# KiCad board ttaelgam.kicad_pcb (continued)
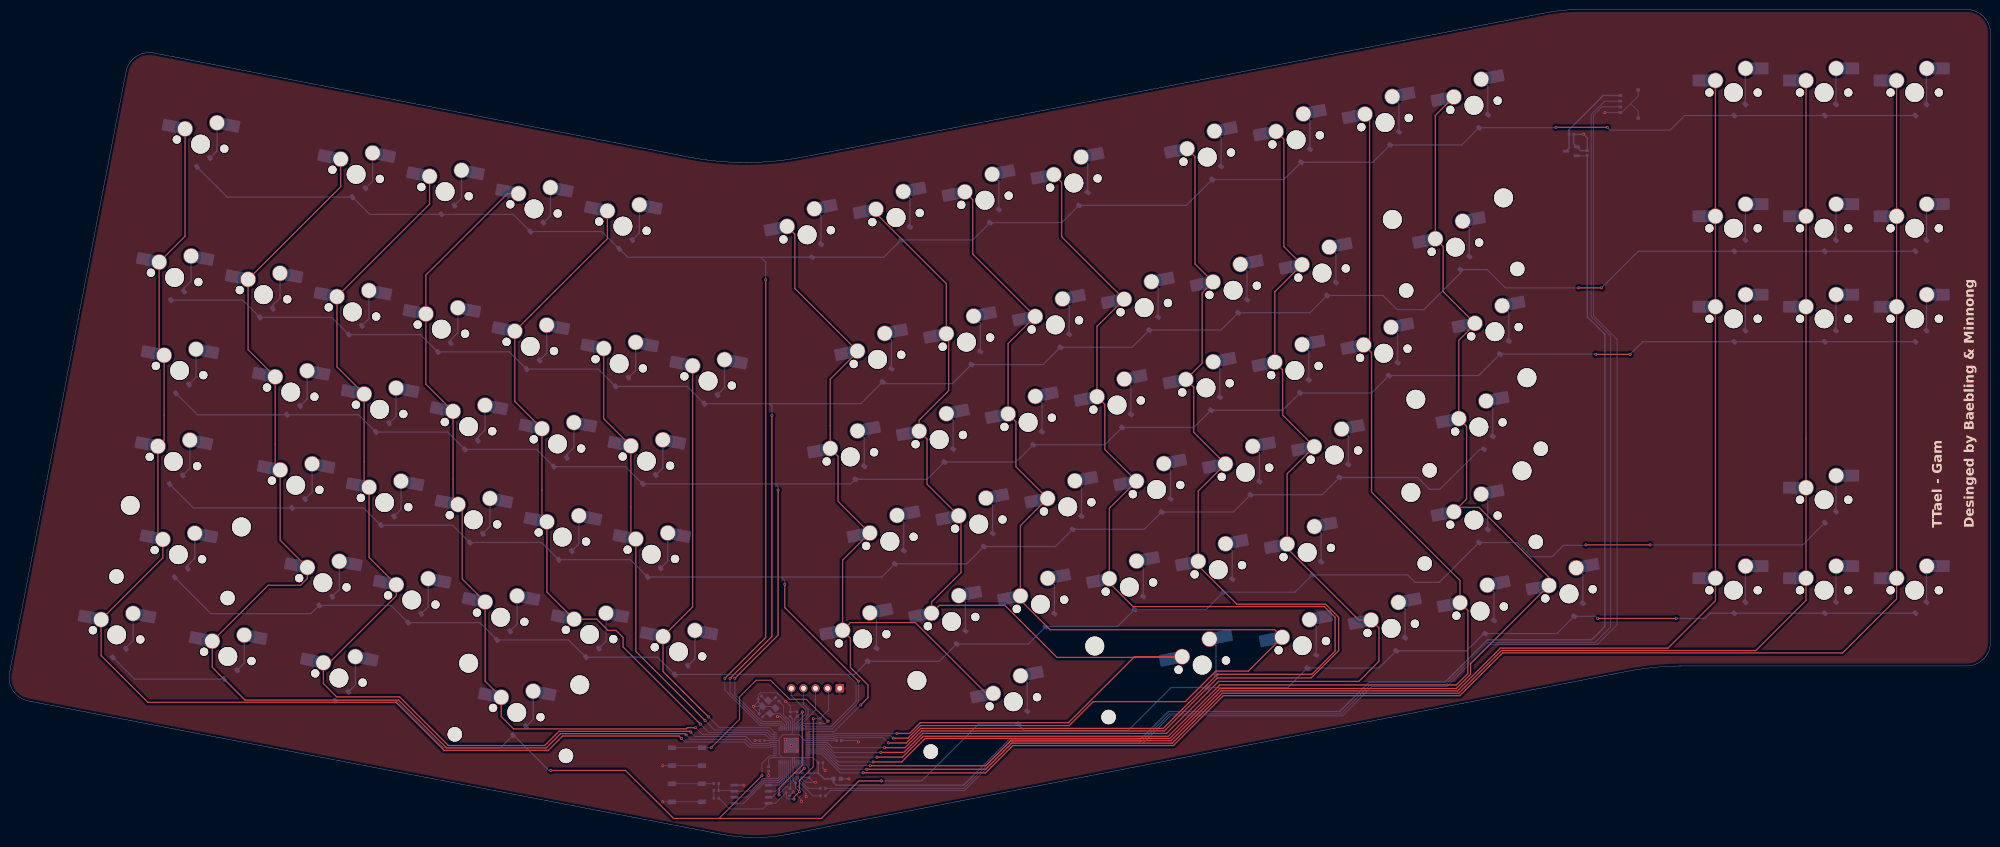
[diagram p0: board, top side]
## Nets
+1V1: C3.1 C4.1 C16.1 U2.23 U2.45 U2.50
+3V3: C2.1 C5.1 C8.1 C9.1 C10.1 C11.1 C12.1 C13.1 C14.1 C15.1 J3.2 R3.2 R4.2 U1.2 U2.1 U2.10 U2.22 U2.33 U2.42 U2.43 U2.44 U2.48 U2.49 U4.8
+5V: C1.1 J4.1 U1.3
GND: BOOT1.1 C1.2 C2.2 C3.2 C4.2 C5.2 C6.1 C7.1 C8.2 C9.2 C10.2 C11.2 C12.2 C13.2 C14.2 C15.2 C16.2 J3.1 J4.4 J4.MP RST1.1 U1.1 U2.19 U2.57 U4.4 Y1.2 Y1.4
COL0: MX1.1 MX17.1 MX34.1 MX51.1 MX64.1 MX78.1 U2.7
COL1: MX2.1 MX18.1 MX35.1 MX52.1 MX65.1 MX79.1 U2.8
COL2: MX3.1 MX19.1 MX36.1 MX53.1 MX66.1 MX80.1 U2.9
COL3: MX4.1 MX20.1 MX37.1 MX54.1 MX67.1 MX81.1 U2.11
COL4: MX5.1 MX21.1 MX38.1 MX55.1 MX68.1 U2.12
COL5: MX6.1 MX24.1 MX40.1 MX57.1 MX70.1 MX82.1 U2.29
COL6: MX7.1 MX25.1 MX41.1 MX58.1 MX71.1 MX83.1 U2.30
COL7: MX8.1 MX26.1 MX42.1 MX59.1 MX72.1 MX84.1 U2.31
COL8: MX9.1 MX27.1 MX43.1 MX60.1 MX73.1 U2.32
COL9: MX10.1 MX28.1 MX44.1 MX61.1 MX74.1 U2.34
COL10: MX11.1 MX29.1 MX45.1 MX62.1 MX75.1 MX85.1 U2.35
COL11: MX12.1 MX46.1 MX86.1 U2.36
COL12: MX13.1 MX30.1 MX47.1 MX63.1 MX76.1 MX87.1 U2.37
COL13: MX14.1 MX31.1 MX48.1 MX88.1 U2.38
COL14: MX15.1 MX32.1 MX49.1 MX77.1 MX89.1 U2.39
COL15: MX16.1 MX33.1 MX50.1 MX90.1 U2.40
COL16: MX22.1 MX39.1 MX56.1 U2.13
COL17: MX23.1 MX69.1 U2.14
D+: J4.3 R7.2
D-: J4.2 R8.1
Q_CLK: U2.52 U4.6
Q_I00: U2.53 U4.5
Q_I01: U2.55 U4.2
Q_I02: U2.54 U4.3
Q_I03: U2.51 U4.7
Q_SEL: R5.1 R6.2 U2.56 U4.1
RESET: J3.3 R4.1 RST1.2 U2.26
ROW0: D1.1 D2.1 D3.1 D4.1 D5.1 D6.1 D7.1 D8.1 D9.1 D10.1 D11.1 D12.1 D13.1 D14.1 D15.1 D16.1 U2.16
ROW1: D17.1 D18.1 D19.1 D20.1 D21.1 D22.1 D23.1 D24.1 D25.1 D26.1 D27.1 D28.1 D29.1 D30.1 D31.1 D32.1 D33.1 U2.17
ROW2: D34.1 D35.1 D36.1 D37.1 D38.1 D39.1 D40.1 D41.1 D42.1 D43.1 D44.1 D45.1 D46.1 D47.1 D48.1 D49.1 D50.1 U2.18
ROW3: D51.1 D52.1 D53.1 D54.1 D55.1 D56.1 D57.1 D58.1 D59.1 D60.1 D61.1 D62.1 D63.1 U2.28
ROW4: D64.1 D65.1 D66.1 D67.1 D68.1 D69.1 D70.1 D71.1 D72.1 D73.1 D74.1 D75.1 D76.1 D77.1 U2.27
ROW5: D78.1 D79.1 D80.1 D81.1 D82.1 D83.1 D84.1 D85.1 D86.1 D87.1 D88.1 D89.1 D90.1 U2.2
SWC: J3.5 U2.24
SWD: J3.4 U2.25
XIN: C6.2 U2.20 Y1.3
XOUT: R9.2 U2.21
Net-(BOOT1-Pad2): BOOT1.2 R6.1
Net-(C7-Pad2): C7.2 R9.1 Y1.1
Net-(D1-A): D1.2 MX1.2
Net-(D2-A): D2.2 MX2.2
Net-(D3-A): D3.2 MX3.2
Net-(D4-A): D4.2 MX4.2
Net-(D5-A): D5.2 MX5.2
Net-(D6-A): D6.2 MX6.2
Net-(D7-A): D7.2 MX7.2
Net-(D8-A): D8.2 MX8.2
Net-(D9-A): D9.2 MX9.2
Net-(D10-A): D10.2 MX10.2
Net-(D11-A): D11.2 MX11.2
Net-(D12-A): D12.2 MX12.2
Net-(D13-A): D13.2 MX13.2
Net-(D14-A): D14.2 MX14.2
Net-(D15-A): D15.2 MX15.2
Net-(D16-A): D16.2 MX16.2
Net-(D17-A): D17.2 MX17.2
Net-(D18-A): D18.2 MX18.2
Net-(D19-A): D19.2 MX19.2
Net-(D20-A): D20.2 MX20.2
Net-(D21-A): D21.2 MX21.2
Net-(D22-A): D22.2 MX22.2
Net-(D23-A): D23.2 MX23.2
Net-(D24-A): D24.2 MX24.2
Net-(D25-A): D25.2 MX25.2
Net-(D26-A): D26.2 MX26.2
Net-(D27-A): D27.2 MX27.2
Net-(D28-A): D28.2 MX28.2
Net-(D29-A): D29.2 MX29.2
Net-(D30-A): D30.2 MX30.2
Net-(D31-A): D31.2 MX31.2
Net-(D32-A): D32.2 MX32.2
Net-(D33-A): D33.2 MX33.2
Net-(D34-A): D34.2 MX34.2
Net-(D35-A): D35.2 MX35.2
Net-(D36-A): D36.2 MX36.2
Net-(D37-A): D37.2 MX37.2
Net-(D38-A): D38.2 MX38.2
Net-(D39-A): D39.2 MX39.2
Net-(D40-A): D40.2 MX40.2
Net-(D41-A): D41.2 MX41.2
Net-(D42-A): D42.2 MX42.2
Net-(D43-A): D43.2 MX43.2
Net-(D44-A): D44.2 MX44.2
Net-(D45-A): D45.2 MX45.2
Net-(D46-A): D46.2 MX46.2
Net-(D47-A): D47.2 MX47.2
Net-(D48-A): D48.2 MX48.2
Net-(D49-A): D49.2 MX49.2
Net-(D50-A): D50.2 MX50.2
Net-(D51-A): D51.2 MX51.2
Net-(D52-A): D52.2 MX52.2
Net-(D53-A): D53.2 MX53.2
Net-(D54-A): D54.2 MX54.2
Net-(D55-A): D55.2 MX55.2
Net-(D56-A): D56.2 MX56.2
Net-(D57-A): D57.2 MX57.2
Net-(D58-A): D58.2 MX58.2
Net-(D59-A): D59.2 MX59.2
Net-(D60-A): D60.2 MX60.2
Net-(D61-A): D61.2 MX61.2
Net-(D62-A): D62.2 MX62.2
Net-(D63-A): D63.2 MX63.2
Net-(D64-A): D64.2 MX64.2
Net-(D65-A): D65.2 MX65.2
Net-(D66-A): D66.2 MX66.2
Net-(D67-A): D67.2 MX67.2
Net-(D68-A): D68.2 MX68.2
Net-(D69-A): D69.2 MX69.2
Net-(D70-A): D70.2 MX70.2
Net-(D71-A): D71.2 MX71.2
Net-(D72-A): D72.2 MX72.2
Net-(D73-A): D73.2 MX73.2
Net-(D74-A): D74.2 MX74.2
Net-(D75-A): D75.2 MX75.2
Net-(D76-A): D76.2 MX76.2
Net-(D77-A): D77.2 MX77.2
Net-(D78-A): D78.2 MX78.2
Net-(D79-A): D79.2 MX79.2
Net-(D80-A): D80.2 MX80.2
Net-(D81-A): D81.2 MX81.2
Net-(D82-A): D82.2 MX82.2
Net-(D83-A): D83.2 MX83.2
Net-(D84-A): D84.2 MX84.2
Net-(D85-A): D85.2 MX85.2
Net-(D86-A): D86.2 MX86.2
Net-(D87-A): D87.2 MX87.2
Net-(D88-A): D88.2 MX88.2
Net-(D89-A): D89.2 MX89.2
Net-(D90-A): D90.2 MX90.2
Net-(R3-Pad1): R3.1 R5.2
Net-(U2-USB_DM): R8.2 U2.46
Net-(U2-USB_DP): R7.1 U2.47

Pads without a net: U2 3 4 5 6 15 41

## Via types
v1: diameter 0.6, hole 0.3, Top to Bottom, 68 vias

## Routing (per net, layer and track width the routed paths; a pad name or vN(x,y) marks a point on that pad's centre or on a via; arc(x,y) is an arc through that point)
+1V1: length 39.1
  Top w0.2: v1(166.83,26.44) 166.83,15.22 165.2,13.59 ; 165.2,13.59 166.25,13.59 v1(167.25,14.59) ; 165.2,13.59 161.95,10.34 v1(161.95,8.97)
  Bottom w0.2: v1(167.25,14.59) 166.75,14.09 C3.1 166.34,13.98 U2.45 ; U2.23 165.14,24.88 C16.1 165.9,25.51 v1(166.83,26.44) ; U2.50 164.34,10.39 C4.1 163.9,10.67 163.43,10.67 161.95,9.19 v1(161.95,8.97)
+3V3: length 391.8
  Top w0.2: v1(169.14,25.01) 169.14,14.88 166.23,11.97 v1(166.23,9.64) 165.08,8.49 v1(165.08,8.07)
  Bottom w0.2: v1(165.08,8.07) 165.05,8.09 163.9,8.09 163.46,8.53 C5.1 161.17,7.21 U4.8 158.53,6.01 151.52,6.01 R3.2 ; C14.1 168.23,13.6 168.23,14.62 167.58,15.27 167.2,15.27 ; 161.98,20.22 161.98,20.84 162.78,21.64 166.13,21.64 166.98,20.79 ; 161.98,20.22 161.98,17.46 162.63,16.81 ; 161.98,20.22 161.79,20.41 U2.10 158.88,20.41 C12.1 ; 166.58,16.81 166.98,16.81 ; 166.58,16.81 166.74,16.65 U2.44 166.74,15.52 166.99,15.27 167.2,15.27 ; 166.58,16.81 165.33,16.81 ; 166.98,16.81 166.98,20.79 ; 166.98,16.81 U2.42 169.13,16.81 C9.1 ; 166.98,16.81 167.14,16.65 U2.43 167.14,15.33 167.2,15.27 ; v1(169.14,25.01) 170.54,25.01 R4.2 ; 166.98,20.79 167.36,20.41 U2.33 174.06,20.41 ; 164.9,14.69 164.74,14.85 U2.49 164.74,16.63 164.93,16.81 ; 164.9,14.69 165.14,14.93 U2.48 165.14,16.63 165.33,16.81 ; 164.9,14.69 164.9,11.97 C11.1 165.41,10.46 v1(166.23,9.64) ; R4.2 172.38,26.85 172.38,31.19 J3.2 ; R4.2 170.58,25.1 ; 174.06,20.41 C13.1 174.06,20.41 ; C15.1 164.74,25.05 U2.22 164.74,21.98 164.4,21.64 ; C10.1 159.75,16.42 160.14,16.81 U2.1 165.33,16.81 ; C2.1 331.82,143.51 U1.2
  Bottom w0.3: C2.1 331.94,109.61 335.64,105.91 335.64,44.41 332.84,41.61 310.94,41.61 302.04,32.71 286.04,32.71 279.84,26.51 243.84,26.51 238.04,20.71 210.44,20.71 200.74,11.01 177.14,11.01 173.99,11.01 173.38,11.62 C8.1 171.43,12.34 170.2,13.57 ; 170.2,13.57 C9.1 ; 170.2,13.57 C14.1
+5V: length 18.6
  Bottom w0.3: U1.3 328.1,145.11 C1.1 328.1,149.01 335.3,156.21 J4.1
GND: length 96
  Top w0.2: v1(335.64,152.61) 335.64,152.55
  Top w0.3: v1(331.16,148.07) 331.16,148.13
  Bottom w0.2: v1(156.58,27.62) 156.58,27.62 Y1.4 ; v1(156.58,27.62) 156.58,27.28 C6.1 157.8,26.97 Y1.4 ; v1(156.58,27.62) 157.57,28.61 C7.1 ; RST1.1 RST1.1 v1(137.48,15.11) ; C12.2 v1(156.9,20.42) ; 341.04,154.51 339.14,152.61 J4.4 v1(335.64,152.61) ; 341.04,154.51 342.64,152.91 J4.MP ; 341.04,154.51 342.64,156.11 J4.MP ; C13.2 178.35,20.41 v1(178.64,20.11) ; C5.2 C4.2 166.64,7.93 v1(166.64,7.61) ; v1(159.75,13.02) C10.2 ; v1(171.64,14.11) 171.16,14.6 C9.2 ; U2.19 163.54,24.09 162.18,25.45 v1(161.6,25.45) ; C7.1 157.57,28.49 Y1.4 ; C7.1 157.57,29.99 158.05,30.47 161.52,30.47 v1(163.38,28.61) 164.3,27.69 C15.2 164.33,26.47 C16.2 ; C11.2 167.64,9.23 v1(167.64,8.61) ; v1(165.74,20.61) v1(164.54,19.41) ; Y1.4 158.75,27.31 ; Y1.4 158.47,27.6 160.87,27.6 Y1.2 ; BOOT1.1 BOOT1.1 137.48,7.51 v1(137.48,7.51) ; 169.25,11.61 C14.2 C3.2 166.75,12.44 167.58,11.61 v1(169.64,11.61) 169.25,11.61
  Bottom w0.25: v1(154.55,11.02) 154.55,11.02 U4.4 ; C8.2 v1(176.64,12.34)
  Bottom w0.3: 331.94,147.29 v1(331.16,148.07) 331.12,148.03 C1.2 329.06,146.07 U1.1 330.54,144.59 C2.2 331.94,147.29
  vias: v1(163.34,20.61) v1(163.34,18.21) v1(165.74,18.21)
COL0: length 272.2
  Top w0.25: v1(141.39,20.86) 140.89,21.36 116.44,21.36 113.44,18.36 91.49,18.36 81.39,28.46 29.18,28.46 19.36,38.28 MX78.1 32.35,58.87 MX64.1 31.31,63.81 MX51.1 32.61,83.67 MX34.1 31.57,102.57 MX17.1 37.02,126.59 MX1.1
  Bottom w0.2: U2.7 160.37,19.21 160.17,19.01 155.75,19.01 154.64,20.11 142.14,20.11 v1(141.39,20.86)
COL1: length 260.2
  Top w0.25: v1(142.39,21.61) 142.14,21.86 115.99,21.86 112.99,18.86 91.99,18.86 81.94,28.91 49.64,28.91 42.74,35.82 MX79.1 54.51,53.11 61.32,53.11 62.74,54.53 MX65.1 57.02,62.57 MX52.1 55.98,78.42 MX35.1 50.27,102.7 MX18.1 69.74,136.98 MX2.1
  Bottom w0.2: v1(142.39,21.61) 143.39,20.61 154.89,20.61 156.1,19.41 160,19.41 160.21,19.61 U2.8
COL2: length 229.9
  Top w0.25: MX3.1 88.44,133.35 MX19.1 68.97,99.07 MX36.1 74.68,74.78 MX53.1 75.72,58.94 MX66.1 81.44,50.89 67.34,36.8 MX80.1 66.11,32.39 68.89,29.61 82.14,29.61 92.39,19.36 112.64,19.36 115.64,22.36 143.22,22.36 v1(143.39,22.19)
  Bottom w0.2: v1(143.39,22.19) 143.39,22.11 144.24,21.26 154.99,21.26 156.45,19.81 159.84,19.81 160.04,20.01 U2.9
COL3: length 185.8
  Top w0.25: v1(144.39,23.11) 142.64,23.11 142.39,22.86 106.11,22.86 103.51,25.46 MX81.1 100.14,32.9 MX67.1 95.31,54.42 95.31,69.22 MX54.1 93.38,71.15 MX37.1 87.67,95.43 MX20.1 87.67,118.41 104.81,135.56 MX4.1
  Bottom w0.2: v1(144.39,23.11) 145.79,21.71 159.04,21.71 159.94,20.81 U2.11
COL4: length 152.9
  Top w0.25: MX5.1 125.84,126.08 MX21.1 106.37,91.8 MX38.1 112.08,67.51 MX55.1 113.12,51.67 MX68.1 123.62,45.95 125.96,43.61 127.64,43.61 129.14,42.11 129.14,40.11 v1(145.39,23.86)
  Bottom w0.2: v1(145.39,23.86) 147.14,22.11 159.39,22.11 160.29,21.21 U2.12
COL5: length 170
  Top w0.25: MX70.1 176.96,41.94 176.96,35.8 180.64,32.11 180.64,29.41 v1(179.14,27.91) ; MX70.1 176.96,45.24 190.61,45.24 205.51,30.34 MX82.1 ; MX70.1 175.31,58.39 MX57.1 174.36,70.77 174.36,80.25 MX40.1 172.71,96.5 178.43,102.21 MX24.1 165.28,115.57 165.28,127 MX6.1
  Bottom w0.2: v1(179.14,27.91) 173.54,22.31 168.28,22.31 U2.29
COL6: length 243.8
  Top w0.25: v1(186.74,21.91) 189.4,21.91 191.65,24.16 222.79,24.16 236.7,38.07 MX83.1 246.58,37.91 220.39,37.91 209.43,48.88 195.66,48.88 MX71.1 194.01,49.56 200.21,55.76 200.21,67.26 MX58.1 193.06,74.4 193.06,83.89 MX41.1 191.41,87.87 197.62,94.07 197.62,105.56 MX25.1 197.13,116.59 182.33,131.39 MX7.1
  Bottom w0.2: v1(186.74,21.91) 173.5,21.91 173.2,21.61 U2.30
COL7: length 269
  Top w0.25: MX59.1 212.71,65.66 MX72.1 212.71,49.97 218.93,43.75 266.18,43.75 MX84.1 260.64,35.03 253.81,35.03 247.39,28.61 228.04,28.61 222.99,23.56 191.68,23.56 189.03,20.91 v1(185.94,20.91) ; MX59.1 211.76,78.04 211.76,87.52 MX42.1 210.11,103.97 MX26.1 202.68,122.84 202.68,134.27 MX8.1 ; MX59.1 219.54,70.26
  Bottom w0.2: U2.31 173.36,21.21 173.57,21.42 185.44,21.42 v1(185.94,20.91)
COL8: length 278.2
  Top w0.25: MX9.1 221.38,137.91 221.38,126.47 MX27.1 228.81,107.61 MX43.1 230.46,91.16 230.46,81.67 MX60.1 231.41,69.3 MX73.1 ; MX73.1 231.41,53.65 ; MX73.1 231.41,53.6 236.4,48.61 276.64,48.61 278.89,46.36 278.89,39.25 274.01,34.36 254.14,34.36 242.74,22.96 191.76,22.96 188.71,19.91 v1(184.94,19.91)
  Bottom w0.2: U2.32 173.53,20.81 173.74,21.02 183.84,21.02 v1(184.94,19.91)
COL9: length 260.8
  Top w0.25: MX74.1 250.11,57.24 258.23,49.11 276.89,49.11 279.64,46.36 279.64,39.36 273.89,33.61 254.14,33.61 242.96,22.43 191.96,22.43 188.44,18.91 v1(184.14,18.91) ; MX74.1 250.11,57.15 ; MX74.1 250.11,72.93 MX61.1 249.16,85.31 249.16,94.79 MX44.1 250.94,99.87 250.94,114.67 MX28.1 249.43,120.76 249.43,143.36 MX10.1
  Bottom w0.2: v1(184.14,18.91) 173.14,18.91 172.04,20.01 U2.34
COL10: length 260.3
  Top w0.25: MX11.1 268.13,146.99 268.13,124.39 MX29.1 266.21,114.88 MX45.1 267.86,98.42 267.86,88.94 MX62.1 268.81,76.57 MX75.1 268.81,60.87 283.89,45.79 MX85.1 288.12,44.14 288.12,37.09 283.89,32.86 254.39,32.86 243.44,21.91 192.18,21.91 188.18,17.91 v1(183.34,17.91)
  Bottom w0.2: v1(183.34,17.91) 173.54,17.91 171.84,19.61 U2.35
COL11: length 274.8
  Top w0.25: MX12.1 286.14,151.31 286.14,104.94 MX46.1 286.56,102.06 286.56,72.69 305.17,54.09 MX86.1 306.82,47.78 306.82,34.54 304.39,32.11 254.64,32.11 243.84,21.31 192.28,21.31 187.88,16.91 v1(182.54,16.91)
  Bottom w0.2: v1(182.54,16.91) 173.94,16.91 171.64,19.21 U2.36
COL12: length 298.8
  Top w0.25: v1(181.74,15.91) 187.74,15.91 192.69,20.86 244.14,20.86 254.64,31.36 304.39,31.36 307.39,34.36 307.39,36.59 MX87.1 ; MX13.1 299.98,152.01 MX30.1 301.63,124.39 301.63,114.91 MX47.1 308.29,108.05 304.91,104.67 MX63.1 306.56,86.54 306.56,71.27 MX76.1 304.8,69.51 309.14,69.51 323.87,54.79 MX87.1 ; MX87.1 324.74,52.19
  Bottom w0.2: U2.37 171.44,18.81 174.34,15.91 v1(181.74,15.91)
COL13: length 316.6
  Top w0.25: MX48.1 359.2,111.43 ; MX48.1 MX88.1 358.89,49.86 348.89,39.86 313.64,39.86 304.64,30.86 254.89,30.86 244.39,20.36 210.64,20.36 205.39,15.11 v1(181.14,15.11) ; MX48.1 MX31.1 MX14.1
  Bottom w0.2: v1(181.14,15.11) 174.54,15.11 171.24,18.41 U2.38
COL14: length 335.7
  Top w0.25: MX15.1 MX32.1 MX49.1 MX77.1 MX89.1 377.94,49.91 367.39,39.36 313.89,39.36 304.89,30.36 255.14,30.36 244.64,19.86 210.89,19.86 205.39,14.36 v1(180.39,14.36)
  Bottom w0.2: U2.39 171.04,18.01 174.69,14.36 v1(180.39,14.36)
COL15: length 355
  Top w0.25: MX16.1 MX33.1 MX50.1 MX90.1 396.99,50.21 385.64,38.86 314.14,38.86 305.14,29.86 255.39,29.86 244.89,19.36 211.14,19.36 205.39,13.61 v1(179.64,13.61)
  Bottom w0.2: v1(179.64,13.61) 174.84,13.61 170.84,17.61 U2.40
COL16: length 103.1
  Top w0.25: v1(146.39,24.61) 131.82,39.18 MX56.1 130.78,63.88 MX39.1 125.07,88.16 MX22.1
  Bottom w0.2: U2.13 160.57,21.61 159.57,22.61 148.39,22.61 v1(146.39,24.61)
COL17: length 95.9
  Top w0.25: MX23.1 143.77,48.55 MX69.1 137.54,34.97 v1(147.14,25.36)
  Bottom w0.2: v1(147.14,25.36) 149.39,23.11 160,23.11 U2.14
D+: length 297.1
  Bottom w0.2: J4.3 335.02,153.81 333.26,152.05 333.26,109.81 338.2,104.87 338.2,44.78 334.04,40.61 311.24,40.61 302.44,31.81 286.64,31.81 280.44,25.61 244.24,25.61 238.44,19.81 210.84,19.81 200.93,9.9 172.82,9.9 R7.2
D-: length 296.1
  Bottom w0.2: 171.69,10.28 R8.1 200.78,10.35 210.64,20.21 238.24,20.21 244.04,26.01 280.14,26.01 286.34,32.21 302.24,32.21 311.04,41.01 333.54,41.01 336.84,44.31 336.84,105.6 332.75,109.69 332.75,152.18 335.59,155.01 J4.2 ; 332.75,114.52 332.75,114.52 332.75,114.52
Q_CLK: length 8.7
  Bottom w0.2: U4.6 161.23,9.75 163.54,12.06 U2.52
Q_I00: length 7.7
  Bottom w0.2: U2.53 163.14,12.23 161.94,11.02 U4.5
Q_I01: length 14.9
  Bottom w0.2: U4.2 155.18,8.48 158.72,12.02 161.8,12.02 162.34,12.56 U2.55
Q_I02: length 15.9
  Bottom w0.2: 152.53,7.21 154.48,7.21 158.89,11.62 161.97,11.62 162.74,12.39 U2.54
Q_I03: length 9.7
  Bottom w0.2: U2.51 163.94,11.9 160.53,8.48 U4.7
Q_SEL: length 18.7
  Bottom w0.2: U2.56 161.94,12.73 161.64,12.42 158.56,12.42 155.89,9.75 152.53,9.75 152.39,9.89 R5.1 R6.2
RESET: length 60.7
  Top w0.2: 172.14,24.41 v1(172.24,24.51) 167.64,29.11 164.14,29.11 160.14,33.11 157.14,33.11 153.64,29.61 153.64,24.87 v1(147.68,18.91)
  Bottom w0.2: U2.26 166.34,23.55 166.81,24.01 ; 166.81,24.01 171.74,24.01 v1(172.24,24.51) ; 166.81,24.01 169.62,26.83 J3.3 ; RST1.2 RST1.2 v1(147.68,18.91)
ROW0: length 492.8
  Top w0.25: v1(325.34,149.51) v1(336.14,149.51) ; v1(150.54,33.51) 159.14,42.11 v1(159.14,117.41)
  Bottom w0.2: v1(150.54,33.51) 150.54,31.01 157.94,23.61 162.11,23.61 162.34,23.39 U2.16
  Bottom w0.25: D1.1 45.86,134.83 D2.1 75.86,131.2 D3.1 105.99,131.2 D4.1 124.69,127.56 D5.1 130.09,122.17 D6.1 183.99,122.17 D7.1 202.69,125.8 D8.1 221.39,129.44 D9.1 247.62,133.07 D10.1 268.14,138.52 D11.1 286.84,142.16 D12.1 305.54,145.79 D13.1 325.26,149.43 v1(325.34,149.51) ; D16.1 D15.1 D14.1 352.42,151.99 349.34,148.91 336.74,148.91 v1(336.14,149.51) ; v1(159.14,117.41) 159.14,121.11 158.09,122.17
ROW1: length 475.2
  Top w0.25: v1(160.44,88.81) 160.44,42.31 v1(151.64,33.51) ; v1(330.14,115.71) v1(334.94,115.71)
  Bottom w0.2: v1(151.64,33.51) 151.64,30.51 158.14,24.01 162.28,24.01 162.74,23.55 U2.17
  Bottom w0.25: 159.94,91.33 D23.1 142.61,94.97 D22.1 123.91,98.6 D21.1 105.21,102.24 D20.1 86.51,105.87 D19.1 67.81,109.51 D18.1 49.11,113.14 D17.1 ; 159.94,91.33 160.44,90.83 v1(160.44,88.81) ; 159.94,91.33 179.12,91.33 183.32,95.53 ; 183.32,95.53 D24.1 ; 183.32,95.53 198.39,95.53 D25.1 217.49,99.57 D26.1 236.19,103.2 D27.1 254.89,106.84 D28.1 273.59,110.47 D29.1 288.95,114.11 291.94,111.11 297.54,111.11 305.28,118.85 D30.1 310.89,119.56 314.74,115.71 v1(330.14,115.71) ; D33.1 D31.1 342.65,123.42 v1(334.94,115.71)
ROW2: length 448.8
  Top w0.25: v1(333.74,101.71) v1(340.94,101.71) ; v1(152.64,33.51) 161.74,42.61 v1(161.74,73.11)
  Bottom w0.2: v1(152.64,33.51) 152.64,30.11 158.34,24.41 162.45,24.41 163.14,23.72 U2.18 163.14,23.12
  Bottom w0.25: v1(340.94,101.71) 343.6,104.37 D48.1 D50.1 ; v1(161.74,73.11) 161.74,73.85 161.14,74.45 ; D34.1 39.63,88.99 D35.1 73.53,88.99 D36.1 92.23,85.36 D37.1 110.93,81.72 D38.1 129.63,78.09 D39.1 161.14,74.45 ; 161.14,74.45 177.04,74.45 D40.1 193.08,75.42 D41.1 211.78,79.05 D42.1 230.48,82.69 D43.1 249.18,86.32 D44.1 267.88,89.96 D45.1 286.58,93.59 D46.1 309.04,97.23 D47.1 333.69,101.77 v1(333.74,101.71)
ROW3: length 344.6
  Top w0.25: v1(178.64,32.91) 163.14,48.41 v1(163.14,53.31)
  Bottom w0.2: U2.28 173.08,22.85 178.64,28.41 v1(178.64,32.91)
  Bottom w0.25: 162.44,54.84 183.54,54.84 D57.1 201.39,57.63 D58.1 220.09,61.26 D59.1 238.79,64.9 D60.1 257.49,68.53 D61.1 276.19,72.17 D62.1 296.26,75.8 298.74,73.31 300.94,73.31 309.34,81.71 D63.1 ; 162.44,54.84 D56.1 130.67,58.48 D55.1 111.97,62.11 D54.1 93.27,65.75 D53.1 74.57,69.38 D52.1 38.79,69.38 D51.1 ; 162.44,54.84 163.14,54.14 v1(163.14,53.31)
ROW4: length 394.8
  Top w0.25: v1(331.64,61.61) v1(345.14,61.61)
  Bottom w0.2: 176.34,34.32 178.14,32.52 178.14,28.61 174.34,24.81 172.84,23.31 167.54,23.31 167.54,23.41 167.37,23.59 166.95,23.59 166.74,23.39 U2.27
  Bottom w0.25: v1(331.64,61.61) 331.54,61.51 326.94,61.51 324.54,59.11 320.14,59.11 317.16,62.1 D76.1 300.78,53.71 295.74,53.71 294.17,55.28 D75.1 270.47,51.65 D74.1 251.77,48.01 D73.1 233.07,44.38 D72.1 214.37,40.74 D71.1 195.67,37.11 D70.1 177.82,34.32 D69.1 136.38,37.96 D68.1 117.68,41.59 D67.1 98.98,45.23 D66.1 80.28,48.86 D65.1 63.47,47.11 42.49,47.11 D64.1 ; D77.1 377.25,61.61 v1(345.14,61.61)
ROW5: length 433.5
  Top w0.2: v1(158.34,13.01) 149.34,4.01
  Top w0.25: v1(113.94,14.11) 129.64,14.11 139.74,4.01 170.84,4.01 178.74,11.91 v1(183.44,11.91) ; v1(334.14,46.11) v1(350.64,46.11)
  Bottom w0.2: v1(158.34,13.01) 158.34,15.61 159.94,17.21 U2.2
  Bottom w0.25: v1(183.44,11.91) 191.94,11.91 203.89,23.86 D82.1 212.29,23.77 213.54,22.51 235.34,22.51 244.41,31.58 D83.1 268.98,31.58 D84.1 288.13,35.67 D85.1 306.54,39.31 310.17,42.94 D86.1 325.53,42.94 D87.1 333.68,46.58 v1(334.14,46.11) ; v1(113.94,14.11) 113.54,14.11 106.13,21.53 D81.1 103.38,18.91 91.34,18.91 81.46,28.8 D80.1 49.76,28.8 D79.1 26.39,33.34 D78.1 ; v1(350.64,46.11) 356.64,46.11 357.75,47.22 D88.1 D90.1
SWC: length 10.6
  Bottom w0.2: J3.5 164.54,29.85 167.53,26.86 167.53,25.97 165.54,23.98 U2.24
SWD: length 9.8
  Bottom w0.2: J3.4 167.08,28.01 168.05,27.04 168.05,25.84 165.94,23.73 U2.25
XIN: length 8.4
  Bottom w0.2: U2.20 163.94,24.25 162.15,26.05 160.02,26.05 Y1.3 ; C6.2 159.17,26.06 Y1.3 ; Y1.3 160.34,25.73
XOUT: length 6.9
  Bottom w0.2: U2.21 164.34,24.43 162.9,25.87 162.9,27.72 R9.2
Net-(BOOT1-Pad2): length 8.8
  Bottom w0.2: BOOT1.2 BOOT1.2 148.18,11.31 R6.1
Net-(C7-Pad2): length 3.6
  Bottom w0.2: R9.1 160.54,28.82 Y1.1 159.24,28.82 C7.2
Net-(D1-A): length 8.1
  Bottom w0.25: D1.2 43.74,144.54 MX1.2
Net-(D2-A): length 8.1
  Bottom w0.25: MX2.2 76.46,138.18 D2.2
Net-(D3-A): length 8.1
  Bottom w0.25: D3.2 95.16,134.54 MX3.2
Net-(D4-A): length 8.1
  Bottom w0.25: MX4.2 113.86,130.91 D4.2
Net-(D5-A): length 8.1
  Bottom w0.25: D5.2 132.56,127.27 MX5.2
Net-(D6-A): length 8
  Bottom w0.25: D6.2 170.77,130.96 MX6.2
Net-(D7-A): length 8
  Bottom w0.25: D7.2 189.47,134.6 MX7.2
Net-(D8-A): length 8
  Bottom w0.25: D8.2 208.17,138.23 MX8.2
Net-(D9-A): length 8
  Bottom w0.25: MX9.2 226.87,141.87 D9.2
Net-(D10-A): length 8
  Bottom w0.25: MX10.2 254.92,147.32 D10.2
Net-(D11-A): length 8
  Bottom w0.25: D11.2 273.62,150.95 MX11.2
Net-(D12-A): length 8
  Bottom w0.25: D12.2 292.32,154.59 MX12.2
Net-(D13-A): length 8
  Bottom w0.25: MX13.2 311.02,158.22 D13.2
Net-(D14-A): length 7.6
  Bottom w0.25: D14.2 365.19,161.85 MX14.2
Net-(D15-A): length 7.6
  Bottom w0.25: D15.2 384.24,161.85 MX15.2
Net-(D16-A): length 7.6
  Bottom w0.25: D16.2 403.29,161.85 MX16.2
Net-(D17-A): length 8.1
  Bottom w0.25: D17.2 36.78,115.65 38.28,117.15 MX17.2
Net-(D18-A): length 8.1
  Bottom w0.25: D18.2 55.48,112.06 56.98,113.56 MX18.2
Net-(D19-A): length 8.1
  Bottom w0.25: MX19.2 75.68,109.22 D19.2
Net-(D20-A): length 8.1
  Bottom w0.25: D20.2 92.88,104.74 94.38,106.25 MX20.2
Net-(D21-A): length 8.1
  Bottom w0.25: D21.2 113.08,101.95 MX21.2
Net-(D22-A): length 8.1
  Bottom w0.25: MX22.2 131.78,98.31 D22.2
Net-(D23-A): length 8.1
  Bottom w0.25: D23.2 150.48,94.68 MX23.2
Net-(D24-A): length 8
  Bottom w0.25: MX24.2 185.57,104.73 D24.2
Net-(D25-A): length 8
  Bottom w0.25: D25.2 204.27,108.36 MX25.2
Net-(D26-A): length 8
  Bottom w0.25: D26.2 222.97,112 MX26.2
Net-(D27-A): length 8
  Bottom w0.25: MX27.2 241.67,115.63 D27.2
Net-(D28-A): length 8
  Bottom w0.25: D28.2 260.37,119.27 MX28.2
Net-(D29-A): length 8
  Bottom w0.25: D29.2 279.07,122.9 MX29.2
Net-(D30-A): length 8
  Bottom w0.25: MX30.2 307.12,128.36 D30.2
Net-(D31-A): length 7.6
  Bottom w0.25: MX31.2 365.19,133.28 D31.2
Net-(D32-A): length 7.6
  Bottom w0.25: MX32.2 384.24,133.28 D32.2
Net-(D33-A): length 7.6
  Bottom w0.25: D33.2 403.29,133.28 MX33.2
Net-(D34-A): length 8.1
  Bottom w0.25: D34.2 39.32,96.88 MX34.2
Net-(D35-A): length 8.1
  Bottom w0.25: MX35.2 62.7,92.34 D35.2
Net-(D36-A): length 8.1
  Bottom w0.25: D36.2 81.4,88.7 MX36.2
Net-(D37-A): length 8.1
  Bottom w0.25: D37.2 98.6,84.27 100.1,85.77 MX37.2
Net-(D38-A): length 8.1
  Bottom w0.25: MX38.2 118.8,82.09 117.3,80.59 D38.2
Net-(D39-A): length 8.1
  Bottom w0.25: D39.2 137.5,77.8 MX39.2
Net-(D40-A): length 8
  Bottom w0.25: D40.2 179.86,84.21 MX40.2
Net-(D41-A): length 8
  Bottom w0.25: MX41.2 198.56,87.85 D41.2
Net-(D42-A): length 8
  Bottom w0.25: D42.2 217.26,91.48 MX42.2
Net-(D43-A): length 8
  Bottom w0.25: MX43.2 235.96,95.12 D43.2
Net-(D44-A): length 8
  Bottom w0.25: MX44.2 254.66,98.75 D44.2
Net-(D45-A): length 8
  Bottom w0.25: D45.2 273.36,102.39 MX45.2
Net-(D46-A): length 8
  Bottom w0.25: MX46.2 292.06,106.02 D46.2
Net-(D47-A): length 8
  Bottom w0.25: D47.2 315.43,110.57 MX47.2
Net-(D48-A): length 7.6
  Bottom w0.25: MX48.2 365.19,114.23 D48.2
Net-(D49-A): length 7.6
  Bottom w0.25: D49.2 384.24,114.23 MX49.2
Net-(D50-A): length 7.6
  Bottom w0.25: MX50.2 403.29,114.23 D50.2
Net-(D51-A): length 8.1
  Bottom w0.25: MX51.2 38.03,77.72 D51.2
Net-(D52-A): length 8.1
  Bottom w0.25: MX52.2 63.74,72.73 D52.2
Net-(D53-A): length 8.1
  Bottom w0.25: MX53.2 82.44,69.09 D53.2
Net-(D54-A): length 8.1
  Bottom w0.25: MX54.2 101.14,65.46 D54.2
Net-(D55-A): length 8.1
  Bottom w0.25: D55.2 119.84,61.82 MX55.2
Net-(D56-A): length 8.1
  Bottom w0.25: D56.2 138.54,58.19 MX56.2
Net-(D57-A): length 8
  Bottom w0.25: MX57.2 188.17,66.42 D57.2
Net-(D58-A): length 8
  Bottom w0.25: MX58.2 206.87,70.06 D58.2
Net-(D59-A): length 8
  Bottom w0.25: MX59.2 225.57,73.69 D59.2
Net-(D60-A): length 8
  Bottom w0.25: D60.2 244.27,77.33 MX60.2
Net-(D61-A): length 8
  Bottom w0.25: MX61.2 262.97,80.96 D61.2
Net-(D62-A): length 8
  Bottom w0.25: D62.2 281.67,84.6 MX62.2
Net-(D63-A): length 8
  Bottom w0.25: MX63.2 312.05,90.5 D63.2
Net-(D64-A): length 8.1
  Bottom w0.25: MX64.2 39.07,58.82 37.57,57.32 D64.2
Net-(D65-A): length 8.1
  Bottom w0.25: MX65.2 69.45,52.21 D65.2
Net-(D66-A): length 8.1
  Bottom w0.25: MX66.2 88.15,48.57 D66.2
Net-(D67-A): length 8.1
  Bottom w0.25: MX67.2 106.85,44.94 D67.2
Net-(D68-A): length 8.1
  Bottom w0.25: D68.2 125.55,41.3 MX68.2
Net-(D69-A): length 8.1
  Bottom w0.25: D69.2 144.25,37.67 MX69.2
Net-(D70-A): length 8
  Bottom w0.25: D70.2 182.45,45.9 MX70.2
Net-(D71-A): length 8
  Bottom w0.25: MX71.2 201.15,49.54 D71.2
Net-(D72-A): length 8
  Bottom w0.25: D72.2 219.85,53.17 MX72.2
Net-(D73-A): length 8
  Bottom w0.25: D73.2 238.55,56.81 MX73.2
Net-(D74-A): length 8
  Bottom w0.25: D74.2 257.25,60.44 MX74.2
Net-(D75-A): length 8
  Bottom w0.25: MX75.2 275.95,64.08 D75.2
Net-(D76-A): length 8
  Bottom w0.25: MX76.2 311.01,70.89 D76.2
Net-(D77-A): length 7.6
  Bottom w0.25: D77.2 384.24,76.13 MX77.2
Net-(D78-A): length 8.1
  Bottom w0.25: D78.2 24.58,39.87 24.54,39.91 26.08,41.45 MX78.2
Net-(D79-A): length 8.1
  Bottom w0.25: MX79.2 49.46,36.69 D79.2
Net-(D80-A): length 8.1
  Bottom w0.25: MX80.2 72.83,32.15 D80.2
Net-(D81-A): length 8.1
  Bottom w0.25: D81.2 110.23,24.88 MX81.2
Net-(D82-A): length 8
  Bottom w0.25: MX82.2 214.14,32.66 D82.2
Net-(D83-A): length 8
  Bottom w0.25: MX83.2 253.87,40.38 D83.2
Net-(D84-A): length 8
  Bottom w0.25: D84.2 274.91,44.47 MX84.2
Net-(D85-A): length 8
  Bottom w0.25: D85.2 293.61,48.1 MX85.2
Net-(D86-A): length 8
  Bottom w0.25: D86.2 312.31,51.74 MX86.2
Net-(D87-A): length 8
  Bottom w0.25: D87.2 331.01,55.37 MX87.2
Net-(D88-A): length 7.6
  Bottom w0.25: MX88.2 365.19,57.08 D88.2
Net-(D89-A): length 7.6
  Bottom w0.25: MX89.2 384.24,57.08 D89.2
Net-(D90-A): length 7.6
  Bottom w0.25: MX90.2 403.29,57.08 D90.2
Net-(R3-Pad1): length 1.6
  Bottom w0.2: R5.2 R3.1
Net-(U2-USB_DM): length 9.1
  Bottom w0.2: R8.2 168.07,10.35 165.94,12.49 U2.46
Net-(U2-USB_DP): length 10.3
  Bottom w0.2: R7.1 169.1,8.77 165.54,12.32 U2.47

## Copper pours and planes (outline as drawn; the poured copper is in the pictures)
GND on Top, Bottom: 416.14,182.61 -21.86,186.11 -20.36,-7.89 432.64,2.11 432.64,184.11 416.64,183.61

## Text on the board
F.Silkscreen: TTael - Gam / Desinged by Baebling & Minnong
